# KiCad board ZX-Spectrum-Pentagon.kicad_pcb (continued)
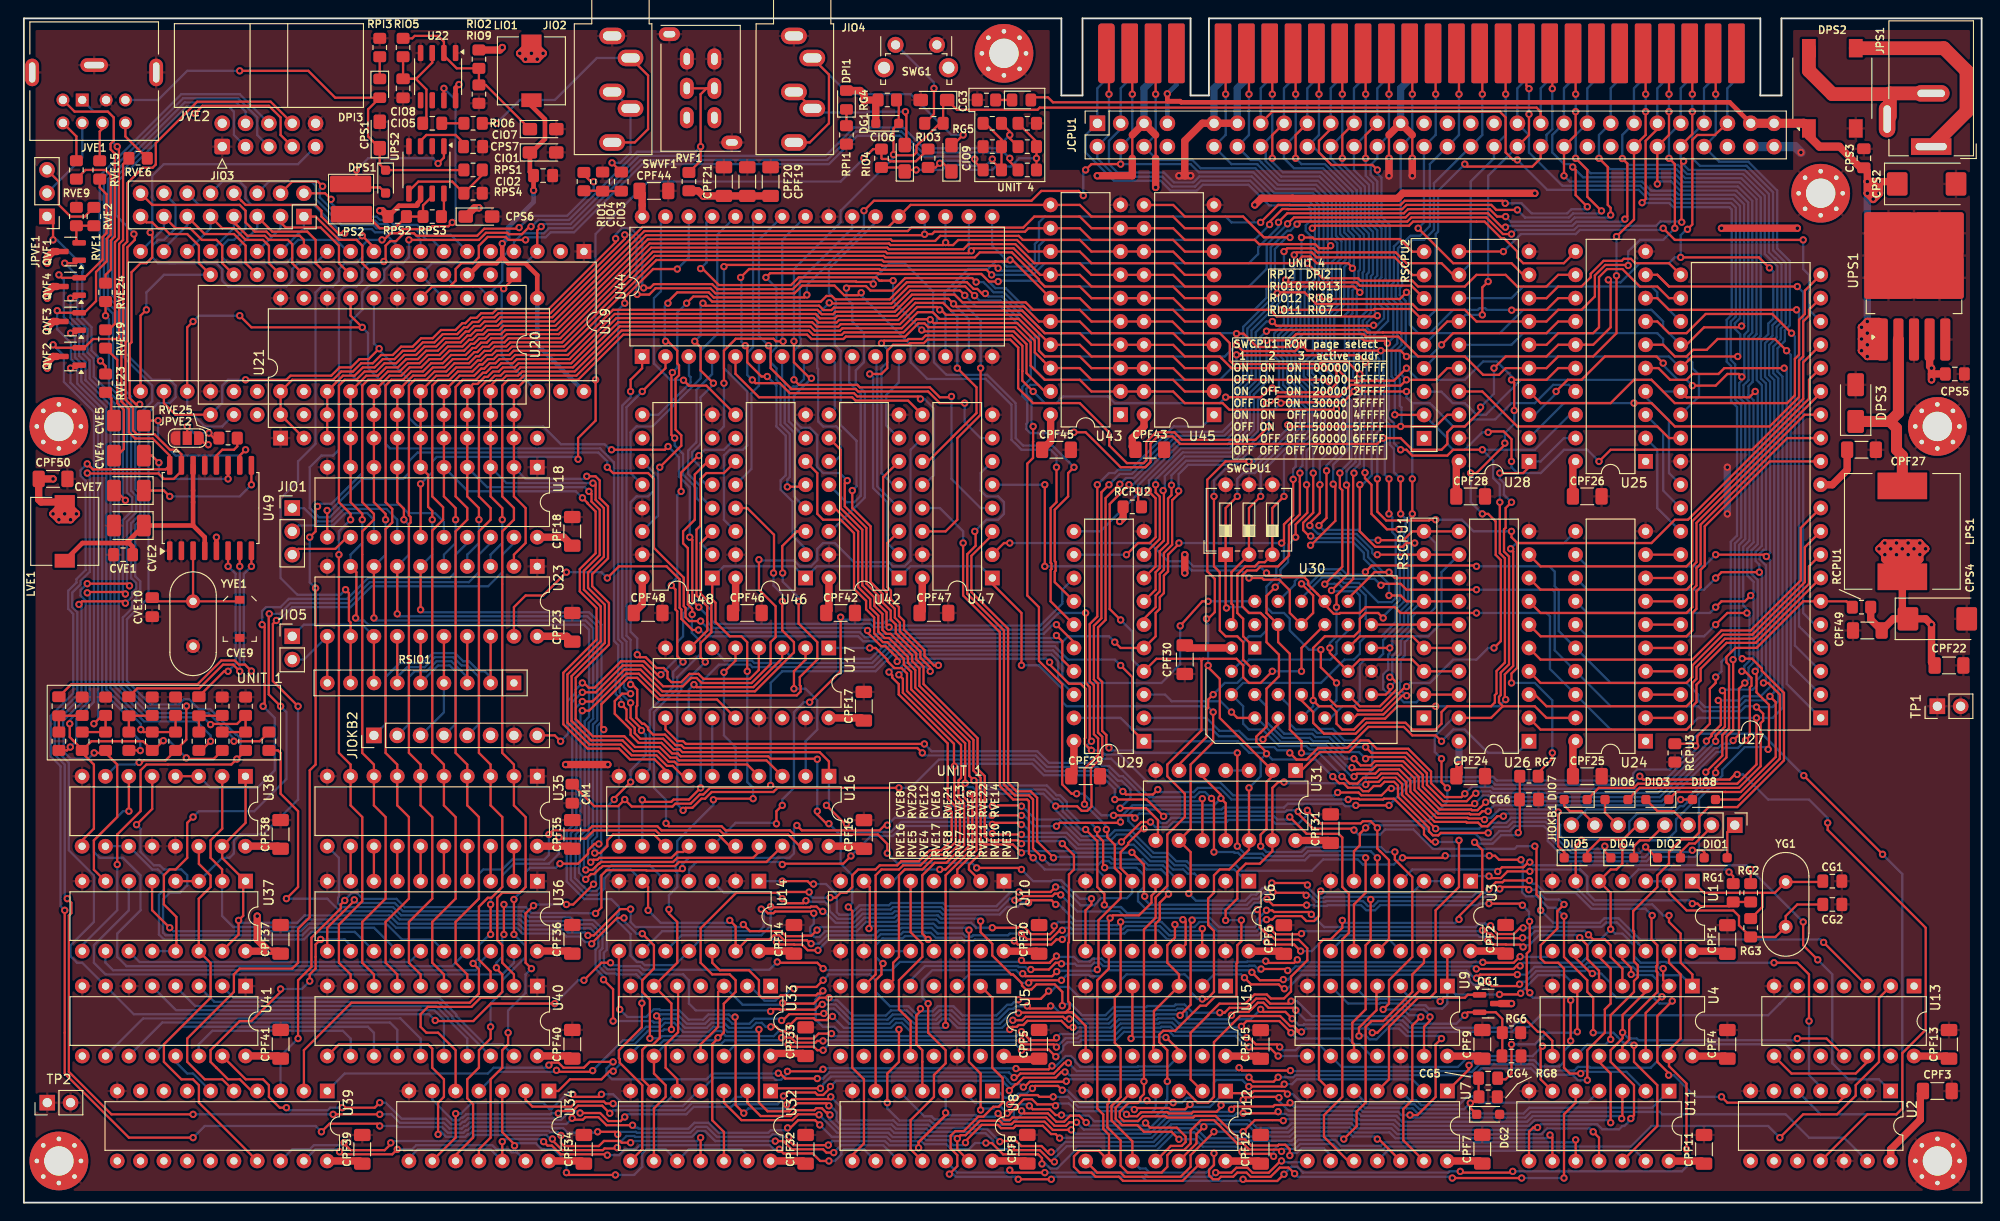
[diagram p0: board, top side]
## Routing (per net, layer and track width the routed paths; a pad name or vN(x,y) marks a point on that pad's centre or on a via; arc(x,y) is an arc through that point) (continued)
/A13: length 265.9
  Top w0.25: 143.55,46.41 144.31,45.65 145.15,45.65 145.78,46.28 147.28,46.28 147.74,46.74 149.52,46.74 150.47,45.79 150.47,44.58 153.57,41.47 156.98,41.47 157.06,41.39 158.29,41.39 158.68,41 159.28,41 160.39,42.1 v1(161.04,42.1) ; v1(120.65,120.74) 120.65,124.91 XMCPU1.B2 ; v1(138.43,72.48) 138.43,73.88 139.7,75.15 139.7,78.12 v1(139.62,78.2) ; v1(119.38,113.12) 116.21,113.12 v1(115.57,112.49) ; 167.01,98.52 165.73,97.25 ; v1(115.32,109.7) 114.81,110.2 110.74,110.2 109.67,109.13 92.53,109.13 v1(91.44,108.04) ; v1(69.85,93.83) 70.1,93.83 71.12,92.8 71.12,91.41 71.31,91.21 71.31,90.12 70.94,89.75 70.94,84.2 71.56,83.58 71.56,82.45 v1(69.22,80.1) ; v1(140.97,98.61) 141.15,98.43 149.77,98.43 v1(150.5,99.16) ; v1(85.22,98.87) 84.95,98.6 75.09,98.6 74.54,99.15 71.12,99.15 70.1,98.14 v1(70.1,97.97) ; U25.13 167,98.52 ; v1(172.09,38.83) 172.09,38.23 172.76,37.56 ; 161.93,97.25 165.74,97.25 ; v1(139.06,48.99) 139.06,50.26 137.8,51.53 137.8,59.78 136.53,61.05 U30.28 135.71,63.78 135.71,63.78 135.25,64.23 135.25,66.09 v1(136.21,67.04)
  Bottom w0.25: v1(70.1,97.97) 69.76,97.63 69.76,93.92 v1(69.85,93.83) ; v1(120.65,120.74) 120.65,116.3 119.38,115.03 v1(119.38,113.12) 127,113.12 127.9,112.22 133.85,112.22 136.1,109.97 140.3,109.97 141.47,108.8 141.47,99.11 v1(140.97,98.61) 140.97,98.28 140.3,97.62 140.3,92.53 139.31,91.54 139.31,90.01 140.43,88.9 140.43,87.63 141.16,86.9 141.16,83.46 139.62,81.92 v1(139.62,78.2) ; v1(172.09,38.83) 171.8,38.54 168.63,38.54 167.23,39.94 167.23,41.15 166,42.38 161.32,42.38 v1(161.04,42.1) ; v1(115.32,109.7) 115.32,112.24 v1(115.57,112.49) ; 143.38,46.51 143.38,46.58 141.05,48.91 139.15,48.91 v1(139.06,48.99) ; v1(138.43,72.48) 137.61,71.66 137.61,69.76 136.78,68.93 136.78,67.66 136.21,67.09 v1(136.21,67.04) ; v1(69.22,80.1) 69.02,79.91 69.02,74.83 U48.14 ; v1(85.22,98.87) 85.22,99.92 91.44,106.14 v1(91.44,108.04) ; v1(161.95,97.22) 161.92,97.25 159.23,97.25 159.05,97.43 158.45,97.43 158.27,97.25 155.58,97.25 153.03,94.71 151.77,94.71 150.86,95.62 150.86,98.79 v1(150.5,99.16)
  vias: v1(143.47,46.41)
/A14: length 360.2
  Top w0.25: v1(124.46,13.21) 124.46,16.6 123.58,17.48 123.58,18.29 124.01,18.71 125.3,18.71 128.04,21.46 128.68,21.46 129.63,22.41 131.99,22.41 131.99,26.04 132.08,26.13 132.08,28.03 132.52,28.47 v1(132.52,30.77) ; 177.84,37.56 177.71,37.56 v1(176.53,38.74) ; v1(125.73,71.85) 125.64,71.76 125.64,71.68 124.54,70.58 124.54,68.75 124.09,68.3 124.09,66.4 123.64,65.95 123.64,64.68 123.19,64.23 123.19,61.69 U29.5 119.38,60.42 v1(118.75,61.05) ; v1(142.88,56.61) 141.17,58.31 v1(141.17,60.23) ; v1(130.81,30.74) 130.81,31.84 132.08,33.11 132.08,36 133,36.92 134.53,36.92 135.9,38.29 U31.13 135.9,45.17 136.53,45.81 v1(137.16,45.81) ; v1(153.67,40.73) 153.67,40.74 150.02,44.39 150.02,45.6 149.33,46.29 147.93,46.29 147.47,45.83 146.36,45.83 v1(146.07,45.54) ; v1(136.91,71.85) 137.16,72.1 137.16,73.88 138.16,74.88 v1(138.16,78.79) ; v1(112.94,9.54) 112.28,9.54 111.66,10.17 109.81,10.17 v1(109.44,10.54) ; U25.12 167.01,101.06 165.74,99.79 162.56,99.79 161.29,101.06 158.12,101.06 156.84,99.79 151.76,99.79 151.12,100.42 145.51,100.42 145.24,100.69 141.34,100.69 v1(139.7,102.33) ; U17.3 82.53,59.29 79.4,56.15 73.21,56.15 v1(72.94,56.42)
  Bottom w0.25: v1(142.88,56.61) 142.88,54.7 142.24,54.07 140.97,54.07 140.34,53.43 140.34,52.24 140.97,51.61 142.48,51.61 143.74,50.35 146.35,50.35 146.78,49.93 146.78,47.17 146.07,46.47 v1(146.07,45.54) 144.66,45.54 144.52,45.69 137.29,45.69 v1(137.16,45.81) ; v1(132.52,30.77) 130.84,30.77 v1(130.81,30.74) ; v1(153.67,40.73) 158.42,40.73 158.68,41 159.41,41 159.78,41.38 161.35,41.38 161.89,41.92 165.81,41.92 166.78,40.96 166.78,39.76 168.45,38.09 175.88,38.09 v1(176.53,38.74) ; XMCPU1.A1 117.83,122.37 116.84,121.38 116.84,117.57 115.57,116.3 115.57,114.39 118.65,111.31 123.73,111.31 124.81,110.23 127.67,110.23 128.32,110.87 133.3,110.87 135.54,108.62 139.74,108.62 140.07,108.29 140.07,106.99 139.52,106.44 139.52,105.84 140.07,105.29 140.07,102.7 v1(139.7,102.33) 139.7,100.42 138.95,99.68 138.95,94.99 137.89,93.93 137.89,92.95 138.42,92.43 138.42,89.64 139.53,88.52 139.53,87.25 140.25,86.53 140.25,83.83 138.43,82 138.43,80.18 138.16,79.91 v1(138.16,78.79) ; U17.3 82.55,60.42 83.74,59.23 92.15,59.23 93.98,61.05 113.03,61.05 113.67,61.69 118.11,61.69 v1(118.75,61.05) ; v1(124.46,13.21) 124.46,11.28 124.37,11.19 124.37,10.59 124.38,10.58 123.21,9.4 121.8,9.4 121.25,8.85 116.53,8.85 115.9,9.48 113,9.48 v1(112.94,9.54) ; v1(109.44,10.54) 109.26,10.72 108.3,10.72 107.76,10.18 107.76,9.44 107.24,8.92 103.57,8.92 103.43,9.06 99.14,9.06 98.81,9.4 98.02,9.4 U8.5 ; v1(125.73,71.85) 125.73,71.85 v1(136.91,71.85) 137.16,71.6 137.16,69.94 136.33,69.11 136.33,68.19 135.25,67.11 135.25,64.86 135.89,64.23 137.16,64.23 137.8,63.59 137.8,62.32 139.89,60.23 v1(141.17,60.23) ; v1(72.94,56.42) 72.38,55.86 U17.10
/A15: length 345.2
  Top w0.25: v1(119.38,58.51) 120.65,57.24 120.65,51.53 U29.1 ; v1(135.25,48.9) 135.25,49.05 134.15,50.16 134.15,50.76 134.57,51.19 134.59,51.19 135.25,51.85 135.25,55.97 136.62,57.33 136.62,59.69 135.25,61.05 135.25,63.59 134.62,64.23 133.35,64.23 132.62,64.95 132.62,68.34 133.14,68.86 134.17,68.86 134.62,69.31 136.53,69.31 137.71,70.49 137.71,73.79 138.89,74.98 138.89,78.5 138.89,78.51 138.89,79.46 v1(138.89,79.47) ; v1(133.35,45.18) 133.36,45.17 133.36,38.44 131.2,36.29 130.18,36.29 129.54,35.65 129.54,33.75 128.91,33.11 128.91,30.23 129.54,29.6 129.54,22.95 128.77,22.18 v1(128.27,22.18) ; 182.92,37.56 182.92,38.15 182.69,38.39 v1(181.61,38.39) ; v1(111.54,23.05) 110.69,22.2 108.35,22.2 v1(108.26,22.1) ; v1(97.59,21.12) 97.59,20.85 97.16,20.41 97.16,17.24 97.79,16.6 97.79,15.33 97.79,15.33 U8.4 ; U25.11 167.62,102.33 163.19,102.33 162.56,102.97 162.56,103.6 161.11,105.05 160.81,105.05 159,106.86 158.12,106.86 158.11,106.86 151.22,106.86 150.77,106.41 140.52,106.41 v1(140.25,106.14) ; v1(142.47,46.41) 142.47,46.39 143.17,45.69 143.64,45.69 144.12,45.2 145.38,45.2 145.76,44.82 146.37,44.82 146.93,45.38 147.65,45.38 148.11,45.84 149.14,45.84 149.57,45.42 149.57,44.2 152.94,40.83 152.94,40.43 153.37,40.01 153.97,40.01 154.24,40.28 v1(159.39,40.28) ; v1(118.11,120.74) 118.11,124.91 XMCPU1.B1
  Bottom w0.25: v1(111.54,23.05) 111.85,23.05 112.31,23.5 113.75,23.5 114.94,22.32 118.75,22.32 119.38,22.95 119.38,24.22 120.02,24.86 126.37,24.86 127,24.22 127,22.95 127.77,22.18 v1(128.27,22.18) ; v1(142.47,46.41) 140.62,48.27 135.89,48.27 v1(135.25,48.9) ; v1(159.39,40.28) 159.39,40.34 159.97,40.93 161.53,40.93 162.08,41.47 165.63,41.47 166.33,40.78 166.33,39.57 168.26,37.64 176.45,37.64 177.01,38.19 181.2,38.19 181.4,38.39 v1(181.61,38.39) ; v1(135.25,48.9) 134.62,48.27 134.62,46.45 v1(133.35,45.18) ; v1(135.25,48.9) 135.17,48.99 133.4,48.99 132.13,50.26 U29.1 ; U17.6 76.28,59.05 79.23,59.05 79.5,58.78 92.34,58.78 94.16,60.6 112.21,60.6 113.67,59.15 118.75,59.15 v1(119.38,58.51) ; v1(138.89,79.47) 138.89,80.01 139.17,80.28 139.17,82.11 140.71,83.64 140.71,86.72 139.98,87.44 139.98,88.71 138.87,89.82 138.87,92.61 138.34,93.14 138.34,93.74 139.4,94.8 139.4,99.49 140.52,100.61 140.52,105.87 v1(140.25,106.14) 140.52,106.41 140.52,108.48 139.93,109.07 135.73,109.07 133.48,111.32 128.13,111.32 127.49,110.68 125,110.68 123.92,111.76 118.84,111.76 116.84,113.76 116.84,115.03 118.11,116.3 v1(118.11,120.74) ; v1(97.59,21.12) 97.87,20.84 98.92,20.84 99.47,21.39 101.19,21.39 102.19,20.39 105.86,20.39 107.03,21.55 107.5,21.55 107.77,21.83 107.98,21.83 v1(108.26,22.1)
/ATTR: length 68.2
  Top w0.25: v1(67.27,21.73) 67.27,19.1 64.77,16.6 64.77,15.73 64.86,15.64 64.86,15.24 67.31,12.79 67.31,5.81 U32.8
  Bottom w0.25: U35.11 34.29,37.56 34.29,33.3 34.2,33.21 34.2,32.61 34.62,32.19 40.18,32.19 41.08,31.29 54.2,31.29 54.83,30.65 59.26,30.65 59.58,30.33 61.84,30.33 62.98,29.19 62.98,27.71 62.68,27.41 62.68,25.64 63.37,24.95 64.43,24.95 64.53,24.86 66.68,24.86 67.31,24.22 67.31,21.77 v1(67.27,21.73)
/AYCLK: length 286.2
  Top w0.25: v1(72.48,72.48) 72.76,72.2 72.76,65.57 v1(73.46,64.86) ; v1(116.21,49.26) 115.93,49.26 116.21,49.53 116.21,49.53 115.9,49.53 115.48,49.96 115.48,50.56 115.57,50.65 115.57,55.97 115.03,56.52 113.75,56.52 111.65,58.63 v1(111.65,58.87) ; U19.22 15.24,87.09 16.51,85.82 16.52,85.83 U20.15 ; v1(38.67,93.02) 37.53,91.88 36.52,91.88 35.62,90.98 34.36,90.98 33.46,90.08 29.02,90.08 28.57,89.63 v1(24.13,89.63) ; v1(70.12,82.37) 69.76,82.01 v1(63.97,82.01) ; v1(193.74,46.52) v1(202.32,37.95) ; v1(148.84,45.12) 148.84,45.18 148.59,45.18 147.78,44.37 145.58,44.37 145.27,44.67 v1(143,44.67) ; v1(91.83,62.32) 91.83,62.09 93.32,60.6 93.79,60.6 94.5,59.89 94.51,59.89 95.05,59.34 v1(95.05,58.95)
  Bottom w0.25: v1(24.13,89.63) 22.23,89.63 21.59,88.99 21.59,87.1 U20.15 ; v1(116.21,49.26) 117.2,49.26 117.65,48.81 119.31,48.81 122.31,45.81 130.18,45.81 131.63,44.36 142.69,44.36 v1(143,44.67) ; v1(91.83,62.32) 91.55,62.6 75.05,62.6 74.39,63.26 74.39,63.94 v1(73.46,64.86) ; v1(70.12,82.37) 70.13,82.37 71.31,81.19 71.31,79.1 72.48,77.93 v1(72.48,72.48) ; v1(148.84,45.12) 149.79,45.12 151.03,46.35 159.97,46.35 160.34,45.97 174.78,45.97 175.17,46.36 175.17,46.75 175.59,47.17 179.16,47.17 181.25,49.27 181.25,50.05 182.28,51.08 189.18,51.08 v1(193.74,46.52) ; U21.20 38.1,93.59 v1(38.67,93.02) 38.67,92.87 41.91,89.63 41.91,85.5 42.86,84.55 56.51,84.55 58.46,82.6 63.22,82.6 63.61,82.22 63.76,82.22 v1(63.97,82.01) ; v1(111.65,58.87) 111.26,59.25 95.35,59.25 v1(95.05,58.95) ; 193.05,12.15 195.58,9.62 203.84,9.62 204.47,10.25 204.47,35.79 v1(202.32,37.95)
/BC1: length 129.6
  Top w0.25: U29.15 111.76,65.5 111.76,68.92 111.85,69.01 111.85,69.61 111.76,69.7 111.76,75.66 112.4,76.3 v1(112.4,80.1) ; 90.87,98.84 89.29,98.84 88.24,99.89 84.72,99.89 83.88,99.05 75.28,99.05 74.73,99.6 68.76,99.6 68.07,98.91 66.77,98.91 v1(66.75,98.93) ; U21.3 U19.29 34.73,90.08 36,90.08 36.9,90.98 38.16,90.98 39.06,91.88 40.34,91.88 41.25,92.79 42.5,92.79 43.42,93.7 44.69,93.7 45.59,94.6 47.17,94.6 47.91,95.34 48.24,95.34 48.83,95.93 49.46,95.93 49.96,96.43 51.22,96.43 51.68,96.89 57.32,96.89 65.41,104.97 v1(65.41,105.42)
  Bottom w0.25: v1(91.14,99.11) 91.14,98.82 96.52,93.44 96.52,91.53 98.33,89.72 104.68,89.72 107.5,86.91 107.5,83.09 108.59,82.01 111.76,82.01 112.4,81.38 v1(112.4,80.1) ; v1(66.75,98.93) 66.68,99.01 66.68,104.87 66.13,105.42 v1(65.41,105.42)
/BDIR: length 140.7
  Top w0.25: v1(64.41,105.01) 64.41,104.62 57.13,97.34 51.49,97.34 51.03,96.88 49.77,96.88 49.27,96.38 48.64,96.38 48.05,95.79 47.72,95.79 46.98,95.05 45.4,95.05 44.5,94.16 43.24,94.16 42.32,93.24 41.06,93.24 40.15,92.33 38.88,92.33 37.98,91.43 36.71,91.43 35.81,90.53 34.54,90.53 33.64,89.63 29.21,89.63 27.95,88.36 U19.27 27.94,85.83 U20.18 28.61,85.15 28.61,85.15 U21.2 ; U29.14 112.21,67.59 112.21,68.73 112.3,68.82 112.3,69.8 112.21,69.89 112.21,75.47 113.67,76.93 113.67,79.47 v1(114.3,80.1) ; v1(67.46,99.64) 68.16,99.64 68.57,100.05 74.91,100.05 75.46,99.5 83.69,99.5 84.53,100.34 90.58,100.34 90.63,100.29 92.24,100.29 v1(92.46,100.07)
  Bottom w0.25: v1(67.46,99.64) 67.31,99.79 67.31,104.87 66.04,106.14 65.1,106.14 64.41,105.45 v1(64.41,105.01) ; v1(92.46,100.07) 92.46,100.57 94.22,102.33 95.88,102.33 98.97,99.24 98.97,96.95 99.37,96.55 99.37,95.88 99.06,95.57 99.06,91.53 100.42,90.17 104.87,90.17 107.95,87.09 107.95,83.28 108.77,82.46 111.95,82.46 114.3,80.11 v1(114.3,80.1)
/BL: length 180.8
  Top w0.25: v1(156.84,20.41) 157.17,20.73 QG1.2 160.21,20.73 160.93,20.02 RG6.2 160.93,16.01 CG4.1 ; 24.12,35.02 23.88,34.78 23.88,31.25 v1(23.37,30.74) 23.37,29.19 21.58,27.4 ; v1(66.04,31.97) 64.9,31.97 62.03,29.11 v1(61.4,29.11) ; 24.12,35.01 21.59,37.53 21.59,38.83 24.13,41.37 24.13,46.45 ; v1(104.14,30.66) 104.14,29.46 105.41,28.19 105.41,26.92 107.48,24.85 107.67,24.85 108.64,23.88 108.64,23.65 109.07,23.22 109.67,23.22 110.22,23.77 112.21,23.77 113.03,22.95 v1(113.03,21.46) ; v1(130.18,20.69) 130.69,20.69 131.23,21.22 133.13,21.22 134.13,22.22 135.11,22.22 135.66,21.67 137.66,21.67 v1(137.93,21.95) ; v1(78.31,30.29) 79.03,29.57 82.4,29.57 82.95,29.02 84.81,29.02 84.87,29.09 85.73,29.09 v1(86.33,29.69)
  Bottom w0.25: v1(137.93,21.95) 138.58,21.95 140.21,20.31 150.25,20.31 151.06,19.5 155.93,19.5 v1(156.84,20.41) ; v1(104.14,30.66) 103.87,30.94 99.84,30.94 99.49,31.29 94.98,31.29 94.72,31.03 91.5,31.03 90.49,30.02 86.66,30.02 v1(86.33,29.69) ; v1(66.04,31.97) 66.04,30.57 66.59,30.02 78.04,30.02 v1(78.31,30.29) ; v1(61.4,29.11) 61.08,29.43 59.21,29.43 58.88,29.75 54.46,29.75 53.83,30.39 40.71,30.39 39.81,31.29 30.56,31.29 29.76,30.48 23.63,30.48 v1(23.37,30.74) ; v1(113.03,21.46) 113.2,21.63 113.95,21.63 115.17,20.41 117.72,20.41 118.61,21.31 122.17,21.31 122.28,21.41 125.2,21.41 125.37,21.58 126.34,21.58 127.23,20.69 v1(130.18,20.69)
/BORDER: length 211.8
  Top w0.25: v1(68.14,17.89) 68.14,22.13 67.31,22.95 67.31,24.22 68.58,25.49 68.58,28.03 67.32,29.3 v1(67.31,29.3) ; v1(107.31,18.86) 107.6,19.14 108.08,19.14 108.28,19.35 108.79,19.35 109.24,19.8 112.93,19.8 113.64,19.09 v1(114.19,19.09) ; 21.58,35.01 21.58,36.3 20.32,37.56 20.32,39.46 21.59,40.73 21.59,46.45 ; v1(61.81,28.2) 61.81,28.25 64.57,31.01 v1(65.32,31.01) ; v1(134.62,21.05) 134.9,20.78 137.32,20.78 v1(138.05,20.04) ; v1(88.01,20.28) 87.77,20.28 87.37,19.88 86.18,19.88 85.98,20.08 84.11,20.08 v1(83.26,19.23)
  Bottom w0.25: v1(88.01,20.28) 89.26,19.04 94.4,19.04 94.95,19.59 95.55,19.59 96.55,18.59 107.04,18.59 v1(107.31,18.86) ; v1(67.31,29.3) 66.68,29.3 65.32,30.66 v1(65.32,31.01) ; v1(134.62,21.05) 133.54,19.97 132.02,19.97 131.57,19.51 125.72,19.51 125.17,20.06 123.45,20.06 123.34,19.96 119.19,19.96 118.3,19.06 114.22,19.06 v1(114.19,19.09) ; 193.05,23.58 191.15,21.68 191.14,21.68 189.87,20.41 165.1,20.41 163.83,19.14 162.56,19.14 162.02,18.6 150.69,18.6 149.88,19.41 139.33,19.41 139.24,19.32 138.77,19.32 v1(138.05,20.04) ; v1(61.81,28.2) 61.62,28.38 61.1,28.38 60.5,28.98 59.02,28.98 58.7,29.3 54.28,29.3 53.64,29.94 40.52,29.94 39.62,30.84 30.75,30.84 29.93,30.02 22.78,30.02 21.58,31.22 21.58,35.01 ; v1(68.14,17.89) 69.23,17.89 69.48,18.14 74.7,18.14 75.25,18.69 75.85,18.69 76.4,18.14 81.62,18.14 82.17,18.69 82.72,18.69 v1(83.26,19.23)
/C3: length 174.5
  Top w0.25: v1(107.64,19.87) 108.67,19.87 109.05,20.25 113.12,20.25 113.36,20.01 v1(113.79,20.01) ; 33.02,27.41 33.02,29.94 35.96,32.88 v1(35.96,32.98) ; v1(159.64,30.17) 159.64,30.01 160.4,29.25 162.17,29.25 162.84,29.93 v1(163.19,29.93) ; v1(135.25,31.84) 135.89,31.84 136.07,31.66 139.89,31.66 v1(140.14,31.4) ; v1(81.28,20.83) 81.53,21.08 82.23,21.08 82.29,21.02 86.12,21.02 86.69,21.59 v1(86.91,21.59) ; v1(127.16,30.78) 127,30.62 127,21.55 v1(125.85,20.41)
  Bottom w0.25: v1(107.64,19.87) 107.29,19.87 106.47,19.04 101.63,19.04 100.63,20.04 100.03,20.04 99.48,19.49 96.92,19.49 95.92,20.49 94.58,20.49 94.03,19.94 90.01,19.94 89.19,20.76 89.19,20.77 88.36,21.59 v1(86.91,21.59) ; v1(113.79,20.01) 114.3,20.01 114.8,19.51 118.11,19.51 119,20.41 123.15,20.41 123.26,20.51 125.74,20.51 v1(125.85,20.41) ; v1(127.16,30.78) 127.4,31.02 129.1,31.02 130.1,30.02 133.97,30.02 134.17,30.22 134.17,30.76 v1(135.25,31.84) ; v1(35.96,32.98) 36.3,32.64 40.37,32.64 41.27,31.74 54.39,31.74 55.02,31.1 59.44,31.1 59.77,30.78 62.03,30.78 63.43,29.37 63.43,27.52 63.13,27.22 63.13,25.83 63.55,25.4 64.62,25.4 64.71,25.31 66.86,25.31 67.31,24.86 71.75,24.86 72.39,24.22 72.39,21.68 73.14,20.94 81.17,20.94 v1(81.28,20.83) ; U1.12 175.71,28.22 175.71,28.22 173.42,30.51 172.21,30.51 171.73,30.03 164.31,30.03 164.19,29.91 163.2,29.91 v1(163.19,29.93) ; v1(159.64,30.17) 159.3,30.17 159.06,30.41 158.4,30.41 158.01,30.02 141.53,30.02 v1(140.14,31.4)
/C16: length 174.8
  Top w0.25: v1(137.8,42) 139.62,40.18 143.11,40.18 143.51,39.78 143.51,34.38 144.24,33.66 144.24,29.39 143.51,28.67 143.51,11.53 141.52,9.53 141.52,7.17 144.15,4.54 U7.10 ; 111.75,88.36 111.12,88.36 109.14,90.35 109.14,93.51 107.74,94.91 97.87,94.91 v1(97.73,95.05) ; v1(109.86,84.55) 109.86,82.9 109.84,82.89 109.84,81.12 109.22,80.49 109.22,66.13 110.49,64.86 110.49,59 113.03,56.46 113.02,56.46 113.02,45.56 114.04,44.54 v1(114.59,44.54) ; v1(94.62,100.43) 93.35,100.43 93.34,100.42 93.13,100.42 92.76,100.79 84.35,100.79 83.5,99.95 75.65,99.95 73.86,101.74 v1(73.66,101.74) ; v1(118.61,42.18) 120.65,42.18 v1(120.93,41.9)
  Bottom w0.25: v1(73.66,101.74) 74.29,102.38 74.29,106.78 U44.29 ; v1(94.62,100.43) 94.62,98.16 v1(97.73,95.05) ; v1(118.61,42.18) 117.3,42.18 116.17,43.31 116.17,43.7 115.33,44.54 v1(114.59,44.54) ; 111.75,88.36 111.12,88.36 110.4,89.08 109.55,89.08 109.13,88.66 109.13,88.06 109.67,87.52 109.67,84.73 v1(109.86,84.55) ; v1(120.93,41.9) 121.41,42.38 122.74,42.38 123.76,41.35 124.36,41.35 124.91,41.91 130.72,41.91 130.94,42.13 136.03,42.13 136.43,41.73 137.52,41.73 v1(137.8,42)
/C19: length 115.6
  Top w0.25: v1(98.43,21.68) 98.43,18.51 100.33,16.6 100.33,15.17 99.06,13.9 99.06,11.53 96.52,8.98 96.52,5.81 96.53,5.81 U8.11 ; v1(116.84,78.2) 116.84,63.85 116.02,63.03 116.02,56.8 116.47,56.35 116.47,51.02 116.93,50.56 116.93,48.76 115.44,47.27 v1(115.44,43.4) ; v1(116.84,25.38) 116.97,25.51 116.97,30.76 119.38,33.17 119.38,35.8 118.75,36.44 118.75,38.99 117.93,39.8 117.93,40.54 v1(117.82,40.65) ; v1(112.42,25.17) 111.92,24.67 108.99,24.67 v1(108.72,24.94)
  Bottom w0.25: v1(116.84,25.38) 116.72,25.26 112.51,25.26 v1(112.42,25.17) ; v1(115.44,43.4) 117.82,41.02 v1(117.82,40.65) ; v1(116.84,78.2) 118.11,79.47 118.74,79.47 119.1,79.82 120.43,79.82 125.16,84.55 128.28,84.55 U45.1 ; v1(108.72,24.94) 108.37,24.94 107.99,25.32 98.88,25.32 97.79,24.22 97.79,22.32 v1(98.43,21.68)
/C20: length 277.9
  Top w0.25: v1(82.47,19.84) 82.61,19.84 83.3,20.53 86.99,20.53 v1(87.07,20.61) ; v1(112.31,43.19) 112.33,43.18 114.64,43.18 115.14,42.68 115.74,42.68 116.21,43.14 116.21,45.5 116.15,45.56 116.15,47.34 117.38,48.57 117.38,50.75 116.92,51.21 116.92,56.53 116.47,56.98 116.47,62.84 117.29,63.66 117.29,77.38 v1(118.11,78.2) ; v1(100.33,19.31) 100.33,35.65 103.24,38.56 103.24,44.27 v1(102.97,44.54) ; U45.11 125.1,108.67 126.37,107.41 132.72,107.41 134.97,105.15 137.8,105.15 v1(137.81,105.13) ; v1(162.95,37.35) 160.57,37.35 160.13,37.79 v1(159.51,37.79) ; v1(150.07,37.56) 154.49,37.56 v1(154.71,37.79) ; v1(167.64,31.21) 167.64,26.76 170.18,24.22 170.18,22.95 170.81,22.32 v1(170.81,18.51) ; v1(68.87,20.34) 69.22,20 69.22,17.94 68.44,17.17 67.84,17.17 67.31,16.64 67.31,13.43 U32.6 ; v1(175.26,17.15) 175.26,15.33 177.8,12.79 177.8,8.35 175.9,6.44 175.9,6.43 U11.12
  Bottom w0.25: v1(100.33,19.31) 100.06,19.04 96.74,19.04 95.74,20.04 94.76,20.04 94.21,19.49 89.82,19.49 88.74,20.58 88.74,20.58 88.18,21.14 87.6,21.14 v1(87.07,20.61) ; v1(68.87,20.34) 69.05,20.52 71.13,20.52 72.16,19.49 74.14,19.49 74.69,20.04 76.57,20.04 76.68,19.93 76.68,19.91 77.11,19.49 78.97,19.49 79.52,20.04 82.28,20.04 v1(82.47,19.84) ; v1(102.97,44.54) 110.96,44.54 v1(112.31,43.19) 112.31,42.76 115.15,39.92 118.12,39.92 118.75,40.55 120.51,40.55 122.97,38.09 124.54,38.09 125.44,37.19 126.57,37.19 127.02,36.74 131.94,36.74 132.53,36.14 140.19,36.14 141.43,37.38 145.2,37.38 145.75,36.83 149.12,36.83 149.85,37.56 v1(150.07,37.56) ; v1(118.11,78.2) 119.28,79.38 120.62,79.38 125.21,83.97 130.46,83.97 131.63,85.14 131.63,88.94 132.72,90.03 132.72,95.39 135.7,98.37 135.7,99.37 136.13,99.79 136.17,99.79 136.17,103.88 137.42,105.13 v1(137.81,105.13) ; v1(175.26,17.15) 174.99,17.42 174.1,17.42 173.44,18.08 173.44,18.09 173.02,18.51 v1(170.81,18.51) ; v1(159.51,37.79) 154.71,37.79 v1(154.71,37.79) ; v1(167.64,31.21) 166.72,32.13 165.92,32.13 164.68,33.36 163.52,33.36 163.09,33.79 163.09,34.39 163.15,34.45 163.15,37.15 v1(162.95,37.35)
/C25: length 131.7
  Top w0.25: 181.62,23.58 181.62,24.85 180.34,26.13 180.34,29.3 179.07,30.57 v1(179.07,31.28) ; 195.58,65.5 198.39,65.5 RCPU1.1 ; 168.92,35.01 168.92,38.83 v1(169.55,39.46) ; U27.6 193.68,65.5 188.6,60.43 186.3,60.43 185.32,59.45 185.32,58.85 185.61,58.56 185.61,51.66 184.88,50.93 184.88,48.69 v1(183.08,46.89) ; v1(137.2,23.3) 137.06,23.3 136.58,23.77 133.59,23.77 v1(132.86,24.5) ; v1(159.26,24.12) 159.78,23.59 162.6,23.59 v1(162.81,23.8)
  Bottom w0.25: v1(132.86,24.5) 132.5,24.86 129.56,24.86 128.28,23.58 ; U1.6 168.91,34.38 170.81,32.48 177.25,32.48 178.45,31.28 v1(179.07,31.28) ; v1(137.2,23.3) 137.54,23.3 139.06,24.83 156.87,24.83 157.4,24.31 157.4,24.16 157.82,23.73 158.42,23.73 158.8,24.12 v1(159.26,24.12) ; v1(183.08,46.89) 183.08,46.01 181.06,44 181.06,43.61 180.64,43.18 180.25,43.18 179.44,42.38 175.62,42.38 174.75,41.51 174.75,40.23 174.08,39.55 169.64,39.55 v1(169.55,39.46) ; v1(162.81,23.8) 163.08,24.07 163.47,24.07 164.63,25.23 169.92,25.23 170.37,25.68 175.15,25.68 175.6,25.23 177.71,25.23 177.71,25.19 178.13,24.77 180.43,24.77 181.62,23.58
/C29: length 120.4
  Top w0.25: U33.9 68.59,14.06 69.85,12.79 69.85,11.53 68.58,10.25 U32.9 ; v1(136.69,16.96) 136.41,17.24 134.09,17.24 133.36,17.97 v1(133.1,17.97) ; v1(86.98,17.62) 86.35,17.62 86.16,17.43 84.03,17.43 83.49,17.98 82.48,17.98 v1(82.47,17.96) ; v1(108.59,17.62) 108.97,17.24 112.1,17.24 v1(112.4,16.94) ; U11.6 165.1,13.42 165.1,16.85 v1(165.29,17.05)
  Bottom w0.25: v1(133.1,17.97) 132.73,17.97 132.72,17.96 132.06,18.61 125.34,18.61 124.8,19.16 123.82,19.16 123.71,19.06 119.56,19.06 118.67,18.16 114.93,18.16 114.68,17.92 113.39,17.92 112.41,16.94 v1(112.4,16.94) ; v1(136.69,16.96) 137.04,16.6 138.43,16.6 139.06,17.24 140.97,17.24 143.43,14.78 156.1,14.78 157.29,15.97 164.22,15.97 v1(165.29,17.05) ; v1(82.47,17.96) 82.2,17.69 76.3,17.69 75.85,17.24 69.85,17.24 U33.9 ; v1(86.98,17.62) 87.06,17.69 108.52,17.69 v1(108.59,17.62)
/C30: length 113.2
  Top w0.25: v1(85.47,33.83) 85.46,33.84 82.25,33.84 82.16,33.75 77.53,33.75 73.66,29.88 73.66,26.13 74.93,24.86 76.84,24.86 77.47,24.22 77.47,22.95 76.18,21.67 76.18,18.53 74.93,17.27 74.93,8.97 76.2,7.7 U32.12 ; v1(87.77,33.22) 88.38,33.22 88.9,33.75 89.53,33.75 90.17,34.38 90.17,35.65 90.81,36.29 92.71,36.29 93.16,36.74 95.06,36.74 95.51,37.19 97.42,37.19 98.59,38.36 99.86,38.36 100.99,39.5 100.99,42.56 v1(100.62,42.93) ; v1(108.59,43.19) 108.5,43.27 106.04,43.27 105.97,43.2 v1(105.41,43.2)
  Bottom w0.25: 133.34,35.01 133.03,35.01 131.75,36.29 126.84,36.29 126.39,36.74 125.26,36.74 124.36,37.64 122.78,37.64 120.32,40.1 118.94,40.1 118.31,39.47 114.96,39.47 112.7,41.73 110.13,41.73 108.67,43.19 v1(108.59,43.19) ; v1(75.55,17.96) 75.27,17.69 69.67,17.69 69.15,17.17 67.03,17.17 66.04,16.19 66.04,15.97 ; v1(105.41,43.2) 105.4,43.19 100.88,43.19 v1(100.62,42.93) ; v1(85.47,33.83) 85.47,33.57 85.82,33.22 87.38,33.22 87.38,33.22 v1(87.77,33.22)
/C31: length 51.5
  Top w0.25: 123.19,15.96 122.94,16.22 122.94,16.98 123,17.05 123,20.86 125.74,23.59 125.74,24.85 124.46,26.13 124.46,28.03 125.29,28.86 v1(125.29,30.29) ; v1(135.27,30.83) 135.88,30.83 136.26,31.21 139.06,31.21 139.6,30.68 140.44,30.68 140.97,31.21 140.97,33.75 v1(141.16,33.94)
  Bottom w0.25: v1(135.27,30.83) 134.88,30.83 134.62,30.57 134.62,30.03 134.16,29.57 129.91,29.57 128.91,30.57 127.97,30.57 127.42,30.02 125.56,30.02 v1(125.29,30.29) ; v1(141.16,33.94) 141.36,33.75 151.13,33.75 U3.3 U3.2
/CBRDB: length 69.8
  Top w0.25: v1(29.84,54.07) 27.1,56.81 27.1,63.04 v1(27.48,63.42) ; 16.49,35.02 19.05,35.02
  Bottom w0.25: v1(29.84,54.07) 29.84,43.91 26.03,40.1 23.49,40.1 22.86,39.46 22.86,38.03 22.39,37.56 21.59,37.56 U37.3 ; v1(27.48,63.42) 27.76,63.69 28.04,63.69 29.21,64.86 35.56,64.86 37.84,67.14 50.54,67.14 52.07,68.67 52.07,70.58 53.34,71.85 U18.19
/CBRDG: length 57.3
  Top w0.25: v1(26.03,54.07) 26.2,54.24 26.2,62.69 v1(25.93,62.96) ; 16.51,46.45 19.05,46.45
  Bottom w0.25: U18.17 48.26,71.85 46.99,70.58 46.99,68.67 46.35,68.04 37.46,68.04 35.19,65.76 28.84,65.76 27.94,64.86 26.35,64.86 25.93,64.44 25.93,62.96 v1(25.93,62.96) ; v1(26.03,54.07) 27.3,52.8 27.3,47.08 25.4,45.18 20.32,45.18 19.05,46.45
/CBRDR: length 79.2
  Top w0.25: v1(27.94,54.07) 26.65,55.36 26.65,64.09 v1(26.71,64.14) ; v1(18.41,42) 17.78,41.37 17.78,37.56 16.51,36.29 15.88,36.29 15.24,35.65 15.24,32.48 16.6,31.12 16.6,27.49 16.49,27.39
  Bottom w0.25: U18.18 50.8,71.85 49.53,70.58 49.53,68.67 48.45,67.59 37.65,67.59 35.38,65.31 29.02,65.31 27.85,64.14 v1(26.71,64.14) ; 13.95,27.4 16.49,27.4 ; v1(27.94,54.07) 28.58,53.43 28.58,46.13 25.08,42.64 19.05,42.64 v1(18.41,42)
